# KiCad board MEP-MAXI-85V-1-REV-2-Interface-Board.kicad_pcb (continued)
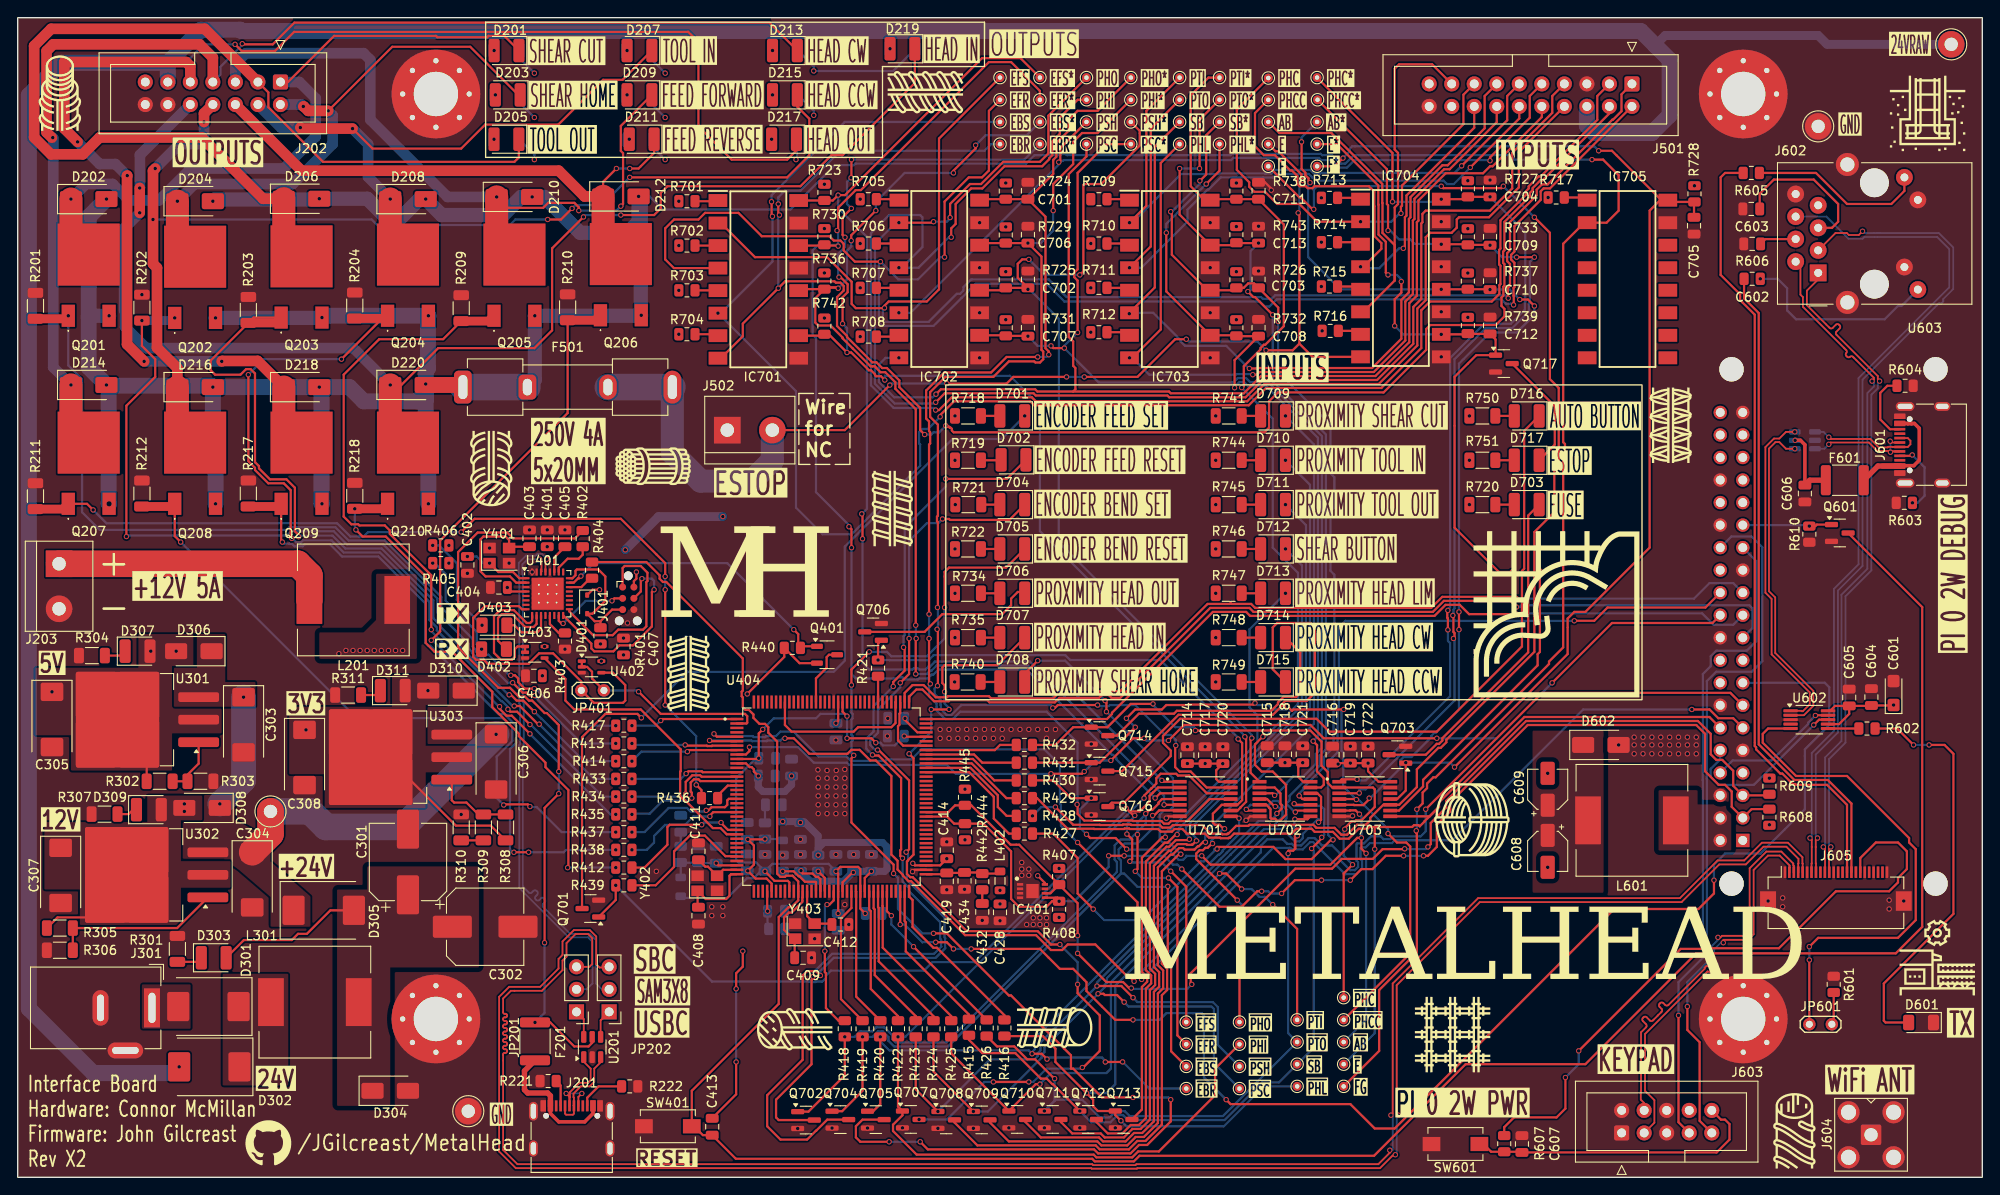
[diagram p0: board, top side]
## Placement (name value [footprint] x y rotation side) (continued)
TP730  Orange  [TestPoint_THTPad_D1.0mm_Drill0.5mm]  110.75 119 0 top
TP731  Orange  [TestPoint_THTPad_D1.0mm_Drill0.5mm]  120.5 119 0 top
TP732  Orange  [TestPoint_THTPad_D1.0mm_Drill0.5mm]  131 119 0 top
TP733  Orange  [TestPoint_THTPad_D1.0mm_Drill0.5mm]  141 119 0 top
TP734  Yellow  [TestPoint_THTPad_D1.0mm_Drill0.5mm]  115.25 119 0 top
TP735  Yellow  [TestPoint_THTPad_D1.0mm_Drill0.5mm]  125.5 119 0 top
TP736  Yellow  [TestPoint_THTPad_D1.0mm_Drill0.5mm]  135.5 119 0 top
TP737  Yellow  [TestPoint_THTPad_D1.0mm_Drill0.5mm]  146.5 119 0 top
TP738  White  [TestPoint_THTPad_D1.0mm_Drill0.5mm]  131.75 12.5 0 top
TP739  White  [TestPoint_THTPad_D1.0mm_Drill0.5mm]  137.75 12.5 0 top
TP740  White  [TestPoint_THTPad_D1.0mm_Drill0.5mm]  144.25 12.75 0 top
TP741  White  [TestPoint_THTPad_D1.0mm_Drill0.5mm]  149.5 15.25 0 top
TP742  Black  [TestPoint_THTPad_D3.0mm_Drill1.5mm]  203 118.5 0 top
TP743  Orange  [TestPoint_THTPad_D1.0mm_Drill0.5mm]  110.75 116.5 0 top
TP744  Orange  [TestPoint_THTPad_D1.0mm_Drill0.5mm]  120.5 116.5 0 top
TP745  Orange  [TestPoint_THTPad_D1.0mm_Drill0.5mm]  131 116.5 0 top
TP746  Orange  [TestPoint_THTPad_D1.0mm_Drill0.5mm]  141 116.5 0 top
TP747  Yellow  [TestPoint_THTPad_D1.0mm_Drill0.5mm]  115.25 116.5 0 top
TP748  Yellow  [TestPoint_THTPad_D1.0mm_Drill0.5mm]  125.5 116.5 0 top
TP749  Yellow  [TestPoint_THTPad_D1.0mm_Drill0.5mm]  135.5 116.5 0 top
TP750  Yellow  [TestPoint_THTPad_D1.0mm_Drill0.5mm]  146.5 116.5 0 top
TP751  White  [TestPoint_THTPad_D1.0mm_Drill0.5mm]  131.75 10 0 top
TP752  White  [TestPoint_THTPad_D1.0mm_Drill0.5mm]  137.75 10 0 top
TP753  White  [TestPoint_THTPad_D1.0mm_Drill0.5mm]  144.25 10.25 0 top
TP754  White  [TestPoint_THTPad_D1.0mm_Drill0.5mm]  149.5 12.75 0 top
TP755  Black  [TestPoint_THTPad_D3.0mm_Drill1.5mm]  50.8 7.45 0 top
U201  USBLC6-2SC6  [SOT-23-6]  64.77 14.69 90 top
U301  LM1084-ADJ  [TO-263-3_TabPin2]  12.75 51.6 180 top
U302  LM1084-ADJ  [TO-263-3_TabPin2]  13.79 34.1 180 top
U303  LM1084-ADJ  [TO-263-3_TabPin2]  41.29 47.37 180 top
U401  ATmega16U2-M  [QFN-32-1EP_5x5mm_P0.5mm_EP3.6x3.6mm_ThermalVias]  59.75 65.8 0 top
U402  SN74LVC1G125DCK  [Texas_R-PDSO-G5_DCK-5]  64.7 57.55 0 top
U403  SN74LVC1G125DCK  [Texas_R-PDSO-G5_DCK-5]  58.3 59.2 0 top
U404  ATSAM3X8EA-AU  [QFP50P2200X2200X145-144N]  91.75 42.92 0 top
U601  USBLC6-2SC6  [SOT-23-6]  201.5 83.1 180 bottom
U602  CH340E  [MSOP-10_3x3mm_P0.5mm]  202 51.6 0 top
U603  RASPBERRY_PI_ZERO_2_W  [MODULE_RASPBERRY_PI_ZERO_2_W]  204.73 62.11 90 top
U701  SN74HC14PWR  [SOP65P640X120-14N]  133.88 42.65 0 top
U702  SN74HC14PWR  [SOP65P640X120-14N]  142.88 42.65 0 top
U703  SN74HC14PWR  [SOP65P640X120-14N]  151.88 42.65 0 top
Y401  16MHz  [Crystal_SMD_3225-4Pin_3.2x2.5mm]  54.3 70.1 0 top
Y402  12MHz  [Crystal_SMD_3225-4Pin_3.2x2.5mm]  77.75 33.15 0 top
Y403  32.768MHz  [Crystal_SMD_3225-4Pin_3.2x2.5mm]  88.75 27.75 0 top

## Library data of the parts
C301 C302 C304-C308 C601 = -: Description: Polarized capacitor, US symbol; ki_fp_filters: CP_*
C303 = -: Description: Polarized capacitor, US symbol; LCSC: C117038; ki_fp_filters: CP_*
C401-C438 C602-C607 C701-C722 = -: Description: Unpolarized capacitor; ki_fp_filters: C_*
C608 C609 = -: Description: Polarized capacitor; ki_fp_filters: CP_*
D201 D203 D205 D207 D209 D211 D213 D215 D217 D219 D303 D307 D309 D311 D702-D717 = -: Description: Light emitting diode; ki_fp_filters: LED* LED_SMD:* LED_THT:*
D202 D204 D206 D208 D210 D212 D214 D216 D218 D220 = -: Datasheet: https://www.littelfuse.com/media?resourcetype=datasheets&itemid=75e32973-b177-4ee3-a0ff-cedaf1abdb93&filename=smaj-datasheet; Description: 400W unidirectional Transient Voltage Suppressor, 24.0Vr, SMA(DO-214AC); ki_fp_filters: D*SMA*
D301 D302 D305 D308 D310 D602 = -: Description: Schottky diode; ki_fp_filters: TO-???* *_Diode_* *SingleDiode* D_*
D304 = -: Description: Zener diode; ki_fp_filters: TO-???* *_Diode_* *SingleDiode* D_*
D306 = -: Description: Schottky diode; LCSC: C5189701; ki_fp_filters: TO-???* *_Diode_* *SingleDiode* D_*
D401 = -: Description: Diode; Sim.Device: D; Sim.Pins: 1=K 2=A; ki_fp_filters: TO-???* *_Diode_* *SingleDiode* D_*
D402 D403 D601 = -: Description: Light emitting diode; Sim.Pins: 1=K 2=A; ki_fp_filters: LED* LED_SMD:* LED_THT:*
D701 = -: Description: Light emitting diode; LCSC: C284945; ki_fp_filters: LED* LED_SMD:* LED_THT:*
F201 F501 F601 = -: Description: Fuse; ki_fp_filters: *Fuse*
H101-H104 = -: Description: Mounting Hole with connection; ki_fp_filters: MountingHole*Pad*
IC401 = -: Datasheet: http://ww1.microchip.com/downloads/en/devicedoc/atmel-8568-seeprom-at24c256c-datasheet.pdf; Description: EEPROM 1.7-5.5V, 1MHz, Ind Tmp, 8-UDFN; Height: 0.6; Mouser Part Number: 579-AT24C256C-MAHL-E; Mouser Price/Stock: https://www.mouser.co.uk/ProductDetail/Microchip-Technology/AT24C256C-MAHL-E?qs=PUo64BuKcKgpzv5dHJJ8ow%3D%3D; Manufacturer_Name: Microchip
IC701-IC705 = -: Datasheet: https://media.digikey.com/pdf/Data%20Sheets/Lite-On%20PDFs/LTV-816_826_846.pdf; Description: Optocoupler Transistor O/P, 80V, SMD16 Lite-On LTV-846S DC Input Transistor Output Quad Optocoupler, Surface Mount, 16-Pin PDIP; Height: 4.6; Mouser Part Number: 859-LTV-846S; Mouser Price/Stock: https://www.mouser.co.uk/ProductDetail/Lite-On/LTV-846S?qs=mugDbBsgkzfnKotYIW64TQ%3D%3D; Manufacturer_Name: Lite-On; LCSC: C571217
J201 J601 = -: Datasheet: https://www.usb.org/sites/default/files/documents/usb_type-c.zip; Description: USB 2.0-only 16P Type-C Receptacle connector; ki_fp_filters: USB*C*Receptacle*
J202 = -: Description: Generic connector, double row, 02x07, odd/even pin numbering scheme (row 1 odd numbers, row 2 even numbers), script generated (kicad-library-utils/schlib/autogen/connector/); ki_fp_filters: Connector*:*_2x??_*
J203 J502 = -: Description: Generic screw terminal, single row, 01x02, script generated (kicad-library-utils/schlib/autogen/connector/); ki_fp_filters: TerminalBlock*:*
J301 = -: Description: DC Barrel Jack with a mounting pin; ki_fp_filters: BarrelJack*
J401 = -: Datasheet: https://www.tag-connect.com/wp-content/uploads/bsk-pdf-manager/2019/12/TC2030-IDC-NL-Datasheet-Rev-B.pdf; Description: Tag-Connect’s 6-pins connector; ki_fp_filters: *TC2030*
J501 = -: Description: Generic connector, double row, 02x10, odd/even pin numbering scheme (row 1 odd numbers, row 2 even numbers), script generated (kicad-library-utils/schlib/autogen/connector/); ki_fp_filters: Connector*:*_2x??_*
J602 = -: Datasheet: https://www.amphenol-cs.com/media/wysiwyg/files/drawing/rjmg1bd3b8k1anr.pdf; Description: 1 Port RJ45 Magjack Connector Through Hole 10/100 Base-T, AutoMDIX; ki_fp_filters: RJ45*Amphenol*RJMG1BD3B8K1ANR*
J603 = -: Description: Generic connector, double row, 02x05, odd/even pin numbering scheme (row 1 odd numbers, row 2 even numbers), script generated (kicad-library-utils/schlib/autogen/connector/); ki_fp_filters: Connector*:*_2x??_*
J604 = -: Description: coaxial connector (BNC, SMA, SMB, SMC, Cinch/RCA, LEMO, ...); ki_fp_filters: *BNC* *SMA* *SMB* *SMC* *Cinch* *LEMO* *UMRF* *MCX* *U.FL*
J605 = -: Description: Generic connectable mounting pin connector, single row, 01x24, script generated (kicad-library-utils/schlib/autogen/connector/); ki_fp_filters: Connector*:*_1x??-1MP*
JP201 JP202 = -: Description: Jumper, 3-pole, both open; ki_fp_filters: Jumper* TestPoint*3Pads* TestPoint*Bridge*
JP401 = -: Description: Jumper, 2-pole, open; ki_fp_filters: Jumper* TestPoint*2Pads* TestPoint*Bridge*
JP601 = -: Description: Jumper, 2-pole, closed/bridged; ki_fp_filters: Jumper* TestPoint*2Pads* TestPoint*Bridge*
L201 L301 L401-L403 L601 = -: Description: Inductor; ki_fp_filters: Choke_* *Coil* Inductor_* L_*
Q201-Q210 = -: Datasheet: https://www.infineon.com/dgdl/Infineon-IRFR7540-DataSheet-v01_01-EN.pdf?fileId=5546d462533600a401535635b06a211c; Description: N-Channel 60 V 90A (Tc) 140W (Tc) Surface Mount TO-252AA (DPAK); Height: 2.52; Mouser Part Number: 942-IRFR7540TRPBF; Mouser Price/Stock: https://www.mouser.co.uk/ProductDetail/Infineon-IR/IRFR7540TRPBF?qs=NBFAU1oqP4UDZQjtpL9DJA%3D%3D; Manufacturer_Name: Infineon; LCSC: C3007637
Q401 = -: Datasheet: https://www.diodes.com/assets/Datasheets/DMP3099L.pdf; Description: -3.8A Id, -30V Vds, P-Channel MOSFET, SOT-23; ki_fp_filters: SOT?23*
Q601 Q701-Q706 Q708-Q717 = -: Datasheet: https://www.onsemi.com/pub/Collateral/BSS138-D.PDF; Description: 50V Vds, 0.22A Id, N-Channel MOSFET, SOT-23; ki_fp_filters: SOT?23*
Q707 = -: Datasheet: https://www.onsemi.com/pub/Collateral/BSS138-D.PDF; Description: 50V Vds, 0.22A Id, N-Channel MOSFET, SOT-23; LCSC: C52895; ki_fp_filters: SOT?23*
R201-R204 R209-R212 R217 R218 = -: Description: Resistor, US symbol; LCSC: C1489; ki_fp_filters: R_*
R205-R208 R213-R216 R308 R718 R719 R721 R722 R734 R735 R740 R741 R744-R751 = -: Description: Resistor, US symbol; LCSC: C844654; ki_fp_filters: R_*
R219-R222 R304 R311 R401-R406 R409-R443 R601-R607 R610 R701-R717 R720 R723-R733 R736-R739 R742 R743 = -: Description: Resistor, US symbol; ki_fp_filters: R_*
R301 R303 R305 = -: Description: Resistor, US symbol; LCSC: C137315; ki_fp_filters: R_*
R302 R309 = -: Description: Resistor, US symbol; LCSC: C333083; ki_fp_filters: R_*
R306 = -: Description: Resistor, US symbol; LCSC: C872782; ki_fp_filters: R_*
R307 = -: Description: Resistor, US symbol; LCSC: C114943; ki_fp_filters: R_*
R310 = -: Description: Resistor, US symbol; LCSC: C137313; ki_fp_filters: R_*
R407 R408 R444 R445 R608 R609 = -: Description: Resistor, US symbol; LCSC: C60816; ki_fp_filters: R_*
SW401 SW601 = -: Description: Push button switch, generic, two pins
TP701 = -: Description: test point; LCSC: C5277086; ki_fp_filters: Pin* Test*
TP702-TP705 TP707-TP710 TP712-TP755 = -: ki_fp_filters: Pin* Test*
TP706 TP711 = -: LCSC: C5277086; ki_fp_filters: Pin* Test*
U201 U601 = -: Datasheet: https://www.st.com/resource/en/datasheet/usblc6-2.pdf; Description: Very low capacitance ESD protection diode, 2 data-line, SOT-23-6; ki_fp_filters: SOT?23*
U301 = -: Datasheet: http://www.ti.com/lit/ds/symlink/lm1084.pdf; Description: 5A 29V Adjustable Linear Regulator, TO-220 / TO-263 (D2-PAK); LCSC: C259971; ki_fp_filters: TO?220* TO?263*
U302 U303 = -: Datasheet: http://www.ti.com/lit/ds/symlink/lm1084.pdf; Description: 5A 29V Adjustable Linear Regulator, TO-220 / TO-263 (D2-PAK); ki_fp_filters: TO?220* TO?263*
U401 = -: Datasheet: http://ww1.microchip.com/downloads/en/DeviceDoc/doc7799.pdf; Description: 16MHz, 16kB Flash, 512B SRAM, 512B EEPROM, QFN-32; ki_fp_filters: QFN*1EP*5x5mm*P0.5mm*
U402 U403 = -: Datasheet: http://www.ti.com/lit/ds/symlink/sn74lvc1g125.pdf; Description: Single Buffer Gate Tri-State, Low-Voltage CMOS, SOT-353; ki_fp_filters: Texas?R?PDSO?G5?DCK*
U404 = -: PARTREV: 11057C; STANDARD: IPC-7351B; MANUFACTURER: MICROCHIP
U602 = -: Datasheet: https://www.mpja.com/download/35227cpdata.pdf; Description: USB serial converter, UART, MSOP-10; ki_fp_filters: MSOP*3x3mm*P0.5mm*
U603 = -: MF: Raspberry Pi; Description_1: At the heart of Raspberry Pi Zero 2 W is RP3A0, a custom-built system-in-package designed by Raspberry Pi in the UK.; Package: None; Price: None; Check_prices: https://www.snapeda.com/parts/RASPBERRY%20PI%20ZERO%202%20W/Raspberry+Pi/view-part/?ref=eda; STANDARD: Manufacturer Recommendations; PARTREV: April 2024; SnapEDA_Link: https://www.snapeda.com/parts/RASPBERRY%20PI%20ZERO%202%20W/Raspberry+Pi/view-part/?ref=snap; MP: RASPBERRY PI ZERO 2 W; Availability: In Stock; MANUFACTURER: Raspberry Pi
Y401-Y403 = -: Description: Four pin crystal, GND on pins 2 and 4; ki_fp_filters: Crystal*

## Footprints (pads in the part's own frame, mm; a bottom-side part is the same pattern mirrored in y, then rotated)
BarrelJack_Wuerth_6941xx301002
  rect 4.4x1.8 hole 3.4x0.8: 1(0,0)
  oval 4x1.8 hole 3x0.8: 2(0,-5.8)
  oval 1.8x4 hole 0.8x3: MP(4.8,-3)
C_0805_2012Metric
  rrect 1x1.45 smd: 1(-0.95,0) 2(0.95,0)
CP_EIA-3216-10_Kemet-I
  rrect 1.4x1.35 smd: 1(-1.35,0) 2(1.35,0)
CP_EIA-7343-31_Kemet-D
  rrect 2.075x2.55 smd: 1(-3.112,0) 2(3.112,0)
CP_Elec_4x5.4
  rrect 2.6x1.6 smd: 1(-1.8,0) 2(1.8,0)
CP_Elec_8x10.5
  rrect 4.4x2.5 smd: 1(-3.7,0) 2(3.7,0)
Crystal_SMD_3225-4Pin_3.2x2.5mm
  rect 1.4x1.2 smd: 1(-1.1,-0.85) 2(1.1,-0.85) 3(1.1,0.85) 4(-1.1,0.85)
D_SMA
  rrect 2.5x1.8 smd: 1(-2,0) 2(2,0)
D_SMC
  rrect 2.5x3.3 smd: 1(-3.4,0) 2(3.4,0)
D_SOD-323
  rrect 0.6x0.45 smd: 1(-1.05,0) 2(1.05,0)
Fuse_1812_4532Metric
  rrect 1.125x3.4 smd: 1(-2.138,0) 2(2.138,0)
Fuseholder_Clip-5x20mm_Keystone_3512P_Inline_P23.62x7.27mm_D1.02x2.41x1.02x1.57mm_Horizontal
  rrect 2x3.7 hole 1.02x2.71: 1(0,0)
  rrect 2x2.8 hole 1.02x1.87: 1(7.27,0)
  oval 2x2.8 hole 1.02x1.87: 2(16.35,0)
  oval 2x3.7 hole 1.02x2.71: 2(23.62,0)
Hirose_FH12-24S-0.5SH_1x24-1MP_P0.50mm_Horizontal
  rect 0.3x1.3 smd: 1(-5.75,1.85) 2(-5.25,1.85) 3(-4.75,1.85) 4(-4.25,1.85) 5(-3.75,1.85) 6(-3.25,1.85) 7(-2.75,1.85) 8(-2.25,1.85) 9(-1.75,1.85) 10(-1.25,1.85) 11(-0.75,1.85) 12(-0.25,1.85) 13(0.25,1.85) 14(0.75,1.85) 15(1.25,1.85) 16(1.75,1.85) 17(2.25,1.85) 18(2.75,1.85) 19(3.25,1.85) 20(3.75,1.85) 21(4.25,1.85) 22(4.75,1.85) 23(5.25,1.85) 24(5.75,1.85)
  rect 1.8x2.2 smd: MP(-7.65,-1.4) MP(7.65,-1.4)
IDC-Header_2x05_P2.54mm_Vertical
  rrect 1.7x1.7 hole 1: 1(0,0)
  round 1.7 hole 1: 2(2.54,0) 3(0,-2.54) 4(2.54,-2.54) 5(0,-5.08) 6(2.54,-5.08) 7(0,-7.62) 8(2.54,-7.62) 9(0,-10.16) 10(2.54,-10.16)
IDC-Header_2x07_P2.54mm_Vertical
  rrect 1.7x1.7 hole 1: 1(0,0)
  round 1.7 hole 1: 2(2.54,0) 3(0,-2.54) 4(2.54,-2.54) 5(0,-5.08) 6(2.54,-5.08) 7(0,-7.62) 8(2.54,-7.62) 9(0,-10.16) 10(2.54,-10.16) 11(0,-12.7) 12(2.54,-12.7) 13(0,-15.24) 14(2.54,-15.24)
IDC-Header_2x10_P2.54mm_Vertical
  rrect 1.7x1.7 hole 1: 1(0,0)
  round 1.7 hole 1: 2(2.54,0) 3(0,-2.54) 4(2.54,-2.54) 5(0,-5.08) 6(2.54,-5.08) 7(0,-7.62) 8(2.54,-7.62) 9(0,-10.16) 10(2.54,-10.16) 11(0,-12.7) 12(2.54,-12.7) 13(0,-15.24) 14(2.54,-15.24) 15(0,-17.78) 16(2.54,-17.78) 17(0,-20.32) 18(2.54,-20.32) 19(0,-22.86) 20(2.54,-22.86)
IRFR7540TRPBF
  rect 1.5x2.5 smd: 1(-2.3,-4.66) 3(2.3,-4.66)
  rect 7x7 smd: 2(0,2.24)
L_12x12mm_H8mm
  rect 2.9x5.4 smd: 1(-4.95,0) 2(4.95,0)
L_0805_2012Metric
  rrect 0.875x1.2 smd: 1(-1.062,0) 2(1.062,0)
LED_1206_3216Metric
  rrect 1.25x1.75 smd: 1(-1.4,0) 2(1.4,0)
LED_1210_3225Metric
  rrect 1.25x2.65 smd: 1(-1.4,0) 2(1.4,0)
LTV846S
  rect 2.1x1.45 smd: 1(-4.55,8.89) 2(-4.55,6.35) 3(-4.55,3.81) 4(-4.55,1.27) 5(-4.55,-1.27) 6(-4.55,-3.81) 7(-4.55,-6.35) 8(-4.55,-8.89) 9(4.55,-8.89) 10(4.55,-6.35) 11(4.55,-3.81) 12(4.55,-1.27) 13(4.55,1.27) 14(4.55,3.81) 15(4.55,6.35) 16(4.55,8.89)
MODULE_RASPBERRY_PI_ZERO_2_W
  round 2.75 hole 2.75 unplated: (-29,11.5) (-29,-11.5) (29,11.5) (29,-11.5)
  rect 1.508x1.508 hole 1: 1(-24.13,10.23)
  round 1.508 hole 1: 2(-24.13,12.77) 3(-21.59,10.23) 4(-21.59,12.77) 5(-19.05,10.23) 6(-19.05,12.77) 7(-16.51,10.23) 8(-16.51,12.77) 9(-13.97,10.23) 10(-13.97,12.77) 11(-11.43,10.23) 12(-11.43,12.77) 13(-8.89,10.23) 14(-8.89,12.77) 15(-6.35,10.23) 16(-6.35,12.77) 17(-3.81,10.23) 18(-3.81,12.77) 19(-1.27,10.23) 20(-1.27,12.77) 21(1.27,10.23) 22(1.27,12.77) 23(3.81,10.23) 24(3.81,12.77) 25(6.35,10.23) 26(6.35,12.77) 27(8.89,10.23) 28(8.89,12.77) 29(11.43,10.23) 30(11.43,12.77) 31(13.97,10.23) 32(13.97,12.77) 33(16.51,10.23) 34(16.51,12.77) 35(19.05,10.23) 36(19.05,12.77) 37(21.59,10.23) 38(21.59,12.77) 39(24.13,10.23) 40(24.13,12.77)
MountingHole_5mm_Pad_Via
  round 0.9 hole 0.6: 1(-3.75,0) 1(-2.652,2.652) 1(-2.652,-2.652) 1(0,3.75) 1(0,-3.75) 1(2.652,2.652) 1(2.652,-2.652) 1(3.75,0)
  round 10 hole 5: 1(0,0)
MSOP-10_3x3mm_P0.5mm
  rrect 1.625x0.35 smd: 1(-2.112,1) 2(-2.112,0.5) 3(-2.112,0) 4(-2.112,-0.5) 5(-2.112,-1) 6(2.112,-1) 7(2.112,-0.5) 8(2.112,0) 9(2.112,0.5) 10(2.112,1)
PinHeader_1x03_P2.54mm_Vertical
  rect 1.7x1.7 hole 1: 1(0,0)
  oval 1.7x1.7 hole 1: 2(0,-2.54) 3(0,-5.08)
QFN-32-1EP_5x5mm_P0.5mm_EP3.6x3.6mm_ThermalVias
  custom 0.645x0.645 smd: (-1.4,1.4) (-1.4,-1.4) (1.4,1.4) (1.4,-1.4)
  custom 0.645x0.806 smd: (-1.4,0.5) (-1.4,-0.5) (1.4,0.5) (1.4,-0.5)
  custom 0.806x0.645 smd: (-0.5,1.4) (-0.5,-1.4) (0.5,1.4) (0.5,-1.4)
  rrect 0.806x0.806 smd: (-0.5,0.5) (-0.5,-0.5) (0.5,0.5) (0.5,-0.5)
  rrect 0.8x0.25 smd: 1(-2.45,1.75) 2(-2.45,1.25) 3(-2.45,0.75) 4(-2.45,0.25) 5(-2.45,-0.25) 6(-2.45,-0.75) 7(-2.45,-1.25) 8(-2.45,-1.75) 17(2.45,-1.75) 18(2.45,-1.25) 19(2.45,-0.75) 20(2.45,-0.25) 21(2.45,0.25) 22(2.45,0.75) 23(2.45,1.25) 24(2.45,1.75)
  rrect 0.25x0.8 smd: 9(-1.75,-2.45) 10(-1.25,-2.45) 11(-0.75,-2.45) 12(-0.25,-2.45) 13(0.25,-2.45) 14(0.75,-2.45) 15(1.25,-2.45) 16(1.75,-2.45) 25(1.75,2.45) 26(1.25,2.45) 27(0.75,2.45) 28(0.25,2.45) 29(-0.25,2.45) 30(-0.75,2.45) 31(-1.25,2.45) 32(-1.75,2.45)
  round 0.5 hole 0.2: 33(-1,1) 33(-1,0) 33(-1,-1) 33(0,1) 33(0,0) 33(0,-1) 33(1,1) 33(1,0) 33(1,-1)
  rect 2.5x2.5 smd far side: 33(0,0)
  rect 3.6x3.6 smd: 33(0,0)
QFP50P2200X2200X145-144N
  rect 1.47x0.28 smd: 1(-10.67,8.75) 2(-10.67,8.25) 3(-10.67,7.75) 4(-10.67,7.25) 5(-10.67,6.75) 6(-10.67,6.25) 7(-10.67,5.75) 8(-10.67,5.25) 9(-10.67,4.75) 10(-10.67,4.25) 11(-10.67,3.75) 12(-10.67,3.25) 13(-10.67,2.75) 14(-10.67,2.25) 15(-10.67,1.75) 16(-10.67,1.25) 17(-10.67,0.75) 18(-10.67,0.25) 19(-10.67,-0.25) 20(-10.67,-0.75) 21(-10.67,-1.25) 22(-10.67,-1.75) 23(-10.67,-2.25) 24(-10.67,-2.75) 25(-10.67,-3.25) 26(-10.67,-3.75) 27(-10.67,-4.25) 28(-10.67,-4.75) 29(-10.67,-5.25) 30(-10.67,-5.75) 31(-10.67,-6.25) 32(-10.67,-6.75) 33(-10.67,-7.25) 34(-10.67,-7.75) 35(-10.67,-8.25) 36(-10.67,-8.75) 73(10.67,-8.75) 74(10.67,-8.25) 75(10.67,-7.75) 76(10.67,-7.25) 77(10.67,-6.75) 78(10.67,-6.25) 79(10.67,-5.75) 80(10.67,-5.25) 81(10.67,-4.75) 82(10.67,-4.25) 83(10.67,-3.75) 84(10.67,-3.25) 85(10.67,-2.75) 86(10.67,-2.25) 87(10.67,-1.75) 88(10.67,-1.25) 89(10.67,-0.75) 90(10.67,-0.25) 91(10.67,0.25) 92(10.67,0.75) 93(10.67,1.25) 94(10.67,1.75) 95(10.67,2.25) 96(10.67,2.75) 97(10.67,3.25) 98(10.67,3.75) 99(10.67,4.25) 100(10.67,4.75) 101(10.67,5.25) 102(10.67,5.75) 103(10.67,6.25) 104(10.67,6.75) 105(10.67,7.25) 106(10.67,7.75) 107(10.67,8.25) 108(10.67,8.75)
  rect 0.28x1.47 smd: 37(-8.75,-10.67) 38(-8.25,-10.67) 39(-7.75,-10.67) 40(-7.25,-10.67) 41(-6.75,-10.67) 42(-6.25,-10.67) 43(-5.75,-10.67) 44(-5.25,-10.67) 45(-4.75,-10.67) 46(-4.25,-10.67) 47(-3.75,-10.67) 48(-3.25,-10.67) 49(-2.75,-10.67) 50(-2.25,-10.67) 51(-1.75,-10.67) 52(-1.25,-10.67) 53(-0.75,-10.67) 54(-0.25,-10.67) 55(0.25,-10.67) 56(0.75,-10.67) 57(1.25,-10.67) 58(1.75,-10.67) 59(2.25,-10.67) 60(2.75,-10.67) 61(3.25,-10.67) 62(3.75,-10.67) 63(4.25,-10.67) 64(4.75,-10.67) 65(5.25,-10.67) 66(5.75,-10.67) 67(6.25,-10.67) 68(6.75,-10.67) 69(7.25,-10.67) 70(7.75,-10.67) 71(8.25,-10.67) 72(8.75,-10.67) 109(8.75,10.67) 110(8.25,10.67) 111(7.75,10.67) 112(7.25,10.67) 113(6.75,10.67) 114(6.25,10.67) 115(5.75,10.67) 116(5.25,10.67) 117(4.75,10.67) 118(4.25,10.67) 119(3.75,10.67) 120(3.25,10.67) 121(2.75,10.67) 122(2.25,10.67) 123(1.75,10.67) 124(1.25,10.67) 125(0.75,10.67) 126(0.25,10.67) 127(-0.25,10.67) 128(-0.75,10.67) 129(-1.25,10.67) 130(-1.75,10.67) 131(-2.25,10.67) 132(-2.75,10.67) 133(-3.25,10.67) 134(-3.75,10.67) 135(-4.25,10.67) 136(-4.75,10.67) 137(-5.25,10.67) 138(-5.75,10.67) 139(-6.25,10.67) 140(-6.75,10.67) 141(-7.25,10.67) 142(-7.75,10.67) 143(-8.25,10.67) 144(-8.75,10.67)
R_0805_2012Metric
  rrect 1.025x1.4 smd: 1(-0.912,0) 2(0.912,0)
R_1206_3216Metric
  rrect 1.125x1.75 smd: 1(-1.462,0) 2(1.462,0)
RJ45_Amphenol_RJMG1BD3B8K1ANR
  round 3.25 hole 3.25 unplated: (-1.27,-6.34) (10.16,-6.34)
  round 1.89 hole 0.89: L1(10.77,-9.72) L2(8.23,-11.24) L3(0.66,-9.72) L4(-1.88,-11.24)
  rect 1.9x1.9 hole 0.9: R1(0,0)
  round 1.9 hole 0.9: R2(1.27,2.54) R3(2.54,0) R4(3.81,2.54) R5(5.08,0) R6(6.35,2.54) R7(7.62,0) R8(8.89,2.54)
  round 2.6 hole 1.6: SH(-3.33,-3.29) SH(12.22,-3.29)
SMA_Amphenol_901-143_Horizontal
  rrect 2.3x2.3 hole 1.5: 1(0,0)
  round 2.5 hole 1.7: 2(-2.54,2.54) 2(-2.54,-2.54) 2(2.54,2.54) 2(2.54,-2.54)
SON50P300X200X60-9L
  rect 0.7x0.3 smd: 1(-1.4,0.75) 2(-1.4,0.25) 3(-1.4,-0.25) 4(-1.4,-0.75) 5(1.4,-0.75) 6(1.4,-0.25) 7(1.4,0.25) 8(1.4,0.75)
  rect 1.4x1.6 smd: 9(0,0)
SOP65P640X120-14N
  rrect 1.57x0.41 smd: 1(-2.87,1.95) 2(-2.87,1.3) 3(-2.87,0.65) 4(-2.87,0) 5(-2.87,-0.65) 6(-2.87,-1.3) 7(-2.87,-1.95) 8(2.87,-1.95) 9(2.87,-1.3) 10(2.87,-0.65) 11(2.87,0) 12(2.87,0.65) 13(2.87,1.3) 14(2.87,1.95)
SOT-23
  rrect 1.475x0.6 smd: 1(-0.938,0.95) 2(-0.938,-0.95) 3(0.938,0)
SOT-23-3
  rrect 1.325x0.6 smd: 1(-1.137,0.95) 2(-1.137,-0.95) 3(1.137,0)
SOT-23-6
  rrect 1.325x0.6 smd: 1(-1.137,0.95) 2(-1.137,0) 3(-1.137,-0.95) 4(1.137,-0.95) 5(1.137,0) 6(1.137,0.95)
SW_SPST_EVQPE1
  rect 2x1.6 smd: 1(-2.7,0) 2(2.7,0)
Tag-Connect_TC2030-IDC-NL_2x03_P1.27mm_Vertical
  round 0.991 hole 0.991 unplated: (-2.54,0) (2.54,1.016) (2.54,-1.016)
  round 0.787 smd: 1(-1.27,-0.635) 2(-1.27,0.635) 3(0,-0.635) 4(0,0.635) 5(1.27,-0.635) 6(1.27,0.635)
TerminalBlock_bornier-2_P5.08mm
  rect 3x3 hole 1.52: 1(0,0)
  round 3 hole 1.52: 2(5.08,0)
TestPoint_2Pads_Pitch2.54mm_Drill0.8mm
  round 1.4 hole 0.8: 1(0,0) 2(2.54,0)
TestPoint_THTPad_D1.0mm_Drill0.5mm
  round 1 hole 0.5: 1(0,0)
TestPoint_THTPad_D3.0mm_Drill1.5mm
  round 3 hole 1.5: 1(0,0)
Texas_R-PDSO-G5_DCK-5
  rrect 0.9x0.4 smd: 1(-1.1,0.65) 2(-1.1,0) 3(-1.1,-0.65) 4(1.1,-0.65) 5(1.1,0.65)
TO-263-3_TabPin2
  rrect 4.6x1.1 smd: 1(-7.65,2.54) 2(-7.65,0) 3(-7.65,-2.54)
  rrect 4.55x5.25 smd: 2(-0.925,2.775) 2(-0.925,-2.775) 2(3.925,2.775) 2(3.925,-2.775)
  rrect 9.4x10.8 smd: 2(1.5,0)
USB_C_Receptacle_G-Switch_GT-USB-7010ASV
  round 0.65 hole 0.65 unplated: (-2.89,2.605) (2.89,2.605)
  rect 0.6x1.24 smd: A1(-3.2,3.725) A4(-2.4,3.725) A9(2.4,3.725) A12(3.2,3.725) B1(3.2,3.725) B4(2.4,3.725) B9(-2.4,3.725) B12(-3.2,3.725)
  rect 0.3x1.24 smd: A5(-1.25,3.725) A6(-0.25,3.725) A7(0.25,3.725) A8(1.25,3.725) B5(1.75,3.725) B6(0.75,3.725) B7(-0.75,3.725) B8(-1.75,3.725)
  oval 1x2.1 hole 0.6x1.7: S1(-4.32,3.125) S1(4.32,3.125)
  oval 1x1.8 hole 0.6x1.4: S1(-4.32,-1.075) S1(4.32,-1.075)

## Nets
24VRAW: D302.2 J202.11 J501.6 TP729.1
+3V3: C308.1 C406.1 C413.1 C414.1 C415.1 C416.1 C418.1 C421.1 C424.1 C427.1 C428.1 C435.1 C436.1 C601.1 C604.1 C605.1 C714.2 C715.2 C716.2 C717.2 C718.2 C719.2 C720.2 C721.2 C722.2 D310.2 D311.2 IC401.8 L401.1 L402.1 Q401.2 R308.1 R407.1 R408.2 R411.2 R440.1 R444.1 R445.2 R608.2 R609.1 R723.1 R724.1 R725.1 R726.1 R727.1 R728.1 R729.1 R730.1 R731.1 R732.1 R733.1 R736.1 R737.1 R738.1 R739.1 R742.1 R743.1 U303.2 U403.5 U404.11 U404.52 U404.57 U404.62 U404.75 U404.105 U404.125 U602.7 U602.10 U701.14 U702.14 U703.14
+5V: C305.1 C401.1 C404.1 C407.1 D306.2 D307.2 D401.1 D602.2 J401.2 J603.8 R205.1 R206.1 R207.1 R208.1 R213.1 R214.1 R215.1 R216.1 R219.1 R220.1 R302.1 R401.2 R405.2 R406.2 R718.2 R719.2 R720.2 R721.2 R722.2 R734.2 R735.2 R740.2 R741.2 R744.2 R745.2 R746.2 R747.2 R748.2 R749.2 R750.2 R751.2 U301.2 U401.4 U401.31 U401.32 U402.5
+12V: C307.1 D308.2 D309.2 L201.1 R305.1 U302.2
+24V: C303.1 C304.1 C306.1 D305.1 D306.1 D308.1 D310.1 R701.1 R702.1 R703.1 R704.1 R705.1 R706.1 R707.1 R708.1 R709.1 R710.1 R711.1 R712.1 R713.1 R714.1 R715.1 R716.1 R717.1 TP716.1 U301.3 U302.3 U303.3
/ATMEL SAM3X8/VDDANA: C419.1 C434.1 L402.2 R442.2 U404.73
/ATMEL SAM3X8/VDDCORE: C417.1 C420.1 C423.1 C426.1 C429.1 C430.1 L403.2 U404.10 U404.45 U404.56 U404.61 U404.104 U404.124
/ATMEL SAM3X8/VDDPLL: C425.1 C438.1 L403.1 R443.2 U404.34
/ATMEL SAM3X8/VDDUTMI: C422.1 C433.1 L401.2 R441.2 U404.41
/Output Connections/+12V-HMI: J203.1 L201.2
GND: C301.2 C302.2 C303.2 C304.2 C305.2 C306.2 C307.2 C308.2 C401.2 C402.2 C403.2 C404.2 C405.2 C406.2 C407.2 C408.2 C409.2 C410.2 C411.2 C412.2 C414.2 C415.2 C416.2 C417.2 C418.2 C419.2 C420.2 C421.2 C422.2 C423.2 C424.2 C425.2 C426.2 C427.2 C428.2 C429.2 C430.2 C431.2 C432.2 C433.2 C434.2 C435.2 C436.2 C437.2 C438.2 C601.2 C602.2 C603.2 C604.2 C605.2 C606.2 C607.2 C608.2 C609.2 C701.2 C702.2 C703.2 C704.2 C705.2 C706.2 C707.2 C708.2 C709.2 C710.2 C711.2 C712.2 C713.2 C714.1 C715.1 C716.1 C717.1 C718.1 C719.1 C720.1 C721.1 C722.1 D304.2 D601.1 H101.1 H102.1 H103.1 H104.1 IC401.1 IC401.2 IC401.3 IC401.4 IC401.7 IC401.9 IC701.9 IC701.11 IC701.13 IC701.15 IC702.9 IC702.11 IC702.13 IC702.15 IC703.9 IC703.11 IC703.13 IC703.15 IC704.9 IC704.11 IC704.13 IC704.15 IC705.15 J201.A1 J201.A12 J201.B1 J201.B12 J201.S1 J202.12 J202.14 J203.2 J301.2 J301.MP J401.6 J501.5 J501.20 J502.1 J601.A1 J601.A12 J601.B1 J601.B12 J601.S1 J602.L2 J602.L3 J602.R8 J602.SH J603.1 J603.2 J603.5 J603.6 J604.1 J604.2 J605.1 J605.6 J605.12 J605.19 J605.21 J605.24 J605.MP Q601.2 Q701.2 Q702.2 Q703.2 Q704.2 Q705.2 Q706.2 Q707.2 Q708.2 Q709.2 Q710.2 Q711.2 Q712.2 Q713.2 Q714.2 Q715.2 Q716.2 Q717.2 R201.1 R202.1 R203.1 R204.1 R209.1 R210.1 R211.1 R212.1 R217.1 R218.1 R221.1 R222.1 R301.1 R303.2 R304.1 R306.2 R307.1 R310.2 R311.1 R403.1 R409.2 R410.2 R601.2 R603.1 R604.1 R610.2 SW401.1 SW601.2 TP742.1 TP755.1 U201.2 U401.3 U401.28 U401.33 U402.3 U403.3 U404.12 U404.33 U404.44 U404.46 U404.54 U404.58 U404.74 U404.106 U404.126 U601.2 U602.3 U603.6 U603.9 U603.14 U603.20 U603.25 U603.30 U603.34 U603.39 U701.7 U702.7 U703.7 U703.13 Y401.2 Y401.4 Y402.2 Y402.4 Y403.2 Y403.4
/ATMEL SAM3X8/AD0: U404.78
/ATMEL SAM3X8/AD1: U404.79
/ATMEL SAM3X8/AD2: U404.80
/ATMEL SAM3X8/AD3: U404.81
/ATMEL SAM3X8/AD4: U404.82
/ATMEL SAM3X8/AD5: U404.83
/ATMEL SAM3X8/AD6: U404.84
/ATMEL SAM3X8/AD7: U404.85
/ATMEL SAM3X8/AD8: U404.88
/ATMEL SAM3X8/AD9: U404.89
/ATMEL SAM3X8/AD10: U404.90
/ATMEL SAM3X8/AD11(TXD3): U404.91
/ATMEL SAM3X8/AD14(RXD3): U404.92
/ATMEL SAM3X8/ATMEGA16U2-D+: JP201.2 U401.29
/ATMEL SAM3X8/ATMEGA16U2-D-: JP202.2 U401.30
/ATMEL SAM3X8/CANRX0: U404.24
/ATMEL SAM3X8/CANTX0: U404.23
/ATMEL SAM3X8/CANTX1/IO: U404.140
/ATMEL SAM3X8/D22/PIN22: R417.1 U404.1
/ATMEL SAM3X8/D23/PIN23: R413.1 U404.7
/ATMEL SAM3X8/D24/PIN24: R414.1 U404.8
/ATMEL SAM3X8/D25/PIN25: R433.1 U404.13
/ATMEL SAM3X8/D26/PIN26: R434.1 U404.14
/ATMEL SAM3X8/D27/PIN27: R435.1 U404.15
/ATMEL SAM3X8/D28/PIN28: R436.1 U404.16
/ATMEL SAM3X8/D29/PIN29: R437.1 U404.19
/ATMEL SAM3X8/D30/PIN30: R438.1 U404.22
/ATMEL SAM3X8/D31/PIN31: R412.1 U404.26
/ATMEL SAM3X8/D32/PIN32: R439.1 U404.32
/ATMEL SAM3X8/D33/PIN33: R418.1 U404.55
/ATMEL SAM3X8/D34/PIN34: R419.1 U404.59
/ATMEL SAM3X8/D35/PIN35: R420.1 U404.60
/ATMEL SAM3X8/D36/PIN36: R421.1 U404.116
/ATMEL SAM3X8/D37/PIN37: R422.1 U404.63
/ATMEL SAM3X8/D38/PIN38: R423.1 U404.64
/ATMEL SAM3X8/D39/PIN39: R424.1 U404.65
/ATMEL SAM3X8/D40/PIN40: R425.1 U404.66
/ATMEL SAM3X8/D41/PIN41: R426.1 U404.67
/ATMEL SAM3X8/D42/PIN42: R415.1 U404.71
/ATMEL SAM3X8/D43/PIN43: R416.1 U404.72
/ATMEL SAM3X8/D44/PIN44: R432.1 U404.101
/ATMEL SAM3X8/D45/PIN45: R431.1 U404.100
/ATMEL SAM3X8/D46/PIN46: R430.1 U404.99
/ATMEL SAM3X8/D47/PIN47: R429.1 U404.98
/ATMEL SAM3X8/D48/PIN48: R428.1 U404.97
/ATMEL SAM3X8/D49/PIN49: R427.1 U404.96
/ATMEL SAM3X8/DAC0(CANRX1): U404.76
/ATMEL SAM3X8/DAC1: U404.77
/ATMEL SAM3X8/EEXTINT: U404.25
/ATMEL SAM3X8/EMDC: U404.123
/ATMEL SAM3X8/EMDIO: U404.127
/ATMEL SAM3X8/ERASE_CMD: Q401.1 R440.2 U401.23
/ATMEL SAM3X8/ERX_DV: U404.119
/ATMEL SAM3X8/ERX_ER: U404.122
/ATMEL SAM3X8/ERXD0: U404.120
/ATMEL SAM3X8/ERXD1: U404.121
/ATMEL SAM3X8/ETX_CLK: U404.113
/ATMEL SAM3X8/ETX_EN: U404.114
/ATMEL SAM3X8/ETXD0: U404.115
/ATMEL SAM3X8/ETXD1: U404.118
/ATMEL SAM3X8/FEED_FORWARD: Q205.1 R209.2 R434.2
/ATMEL SAM3X8/FEED_REVERSE: Q206.1 R210.2 R435.2
/ATMEL SAM3X8/FWUP: R411.1 U404.53
/ATMEL SAM3X8/HEAD_CCW: Q208.1 R212.2 R437.2
/ATMEL SAM3X8/HEAD_CW: Q207.1 R211.2 R436.2
/ATMEL SAM3X8/HEAD_IN: Q210.1 R218.2 R412.2
/ATMEL SAM3X8/HEAD_OUT: Q209.1 R217.2 R438.2
/ATMEL SAM3X8/JTAG_TCK: U404.28
/ATMEL SAM3X8/JTAG_TDI: U404.29
/ATMEL SAM3X8/JTAG_TDO: U404.30
/ATMEL SAM3X8/JTAG_TMS: U404.31
/ATMEL SAM3X8/MASTER-RESET: C413.2 Q601.3 R404.2 SW401.2 U404.47
/ATMEL SAM3X8/MISO: U404.108 U603.21
/ATMEL SAM3X8/MISO-16U2: J401.1 U401.17
/ATMEL SAM3X8/MOSI: U404.109 U603.19
/ATMEL SAM3X8/MOSI-16U2: J401.4 U401.16
/ATMEL SAM3X8/PIN11: U404.20
/ATMEL SAM3X8/PIN12: U404.21
/ATMEL SAM3X8/PIN50: U404.95
/ATMEL SAM3X8/PIN51: U404.94
/ATMEL SAM3X8/PWM2: U404.144
/ATMEL SAM3X8/PWM3: U404.139
/ATMEL SAM3X8/PWM5: U404.136
/ATMEL SAM3X8/PWM6: U404.135
/ATMEL SAM3X8/PWM7: U404.134
/ATMEL SAM3X8/PWM8: U404.133
/ATMEL SAM3X8/PWM9: U404.132
/ATMEL SAM3X8/PWM13: U404.68
/ATMEL SAM3X8/RESET-16U2: D401.2 J401.5 R401.1 U401.24
/ATMEL SAM3X8/RESET_CMD: R404.1 U401.22
/ATMEL SAM3X8/RX: U403.4 U404.27
/ATMEL SAM3X8/RXD0: U404.18
/ATMEL SAM3X8/RXD1: U404.5 U603.11
/ATMEL SAM3X8/RXD1-16U2: JP401.1 U401.8 U402.4
/ATMEL SAM3X8/RXD2: U404.3
/ATMEL SAM3X8/RXD-LED-16U2: D402.1 U401.10
/ATMEL SAM3X8/RXL: U404.103
/ATMEL SAM3X8/SCK-16U2: J401.3 U401.15
/ATMEL SAM3X8/SCL1: U404.70 U603.15
/ATMEL SAM3X8/SDA1: U404.9 U603.22
/ATMEL SAM3X8/SHEAR_CUT: Q201.1 R201.2 R417.2
/ATMEL SAM3X8/SHEAR_HOME: Q202.1 R202.2 R413.2
/ATMEL SAM3X8/SPCK: U404.110 U603.23
/ATMEL SAM3X8/SPI1_CS0: R427.2 U603.24
/ATMEL SAM3X8/SS0/PWM10: U404.102 U404.111
/ATMEL SAM3X8/SS1/PWM4: U404.112 U404.137
/ATMEL SAM3X8/SS3: U404.142
/ATMEL SAM3X8/TOOL_IN: Q204.1 R204.2 R433.2
/ATMEL SAM3X8/TOOL_OUT: Q203.1 R203.2 R414.2
/ATMEL SAM3X8/TST: R410.1 U404.51
/ATMEL SAM3X8/TX: JP401.2 U402.1 U402.2 U404.2
/ATMEL SAM3X8/TXD0: U404.17
/ATMEL SAM3X8/TXD1: U404.6 U603.13
/ATMEL SAM3X8/TXD1-16U2: U401.9 U403.1 U403.2
/ATMEL SAM3X8/TXD2: U404.4
/ATMEL SAM3X8/TXD-LED-16U2: D403.1 U401.11
/ATMEL SAM3X8/TXL: U404.107
/ATMEL SAM3X8/UCAP: C405.1 U401.27
/ATMEL SAM3X8/USB_BOOT_EN: R403.2 U401.13
/ATMEL SAM3X8/VBG: C410.1 R409.1 U404.40
/ATMEL SAM3X8/VOUTGID: U404.129
/ATMEL SAM3X8/VOUTGVBOF: U404.128
/ATMEL SAM3X8/VUSBVCC: F201.2 R402.2 U201.5
/ATMEL SAM3X8/XIN: C408.1 U404.36 Y402.1
/ATMEL SAM3X8/XIN32: C409.1 U404.48 Y403.1
/ATMEL SAM3X8/XOUT: C411.1 U404.35 Y402.3
